# KiCad board arena_12-12_v8_ni.kicad_pcb (continued)
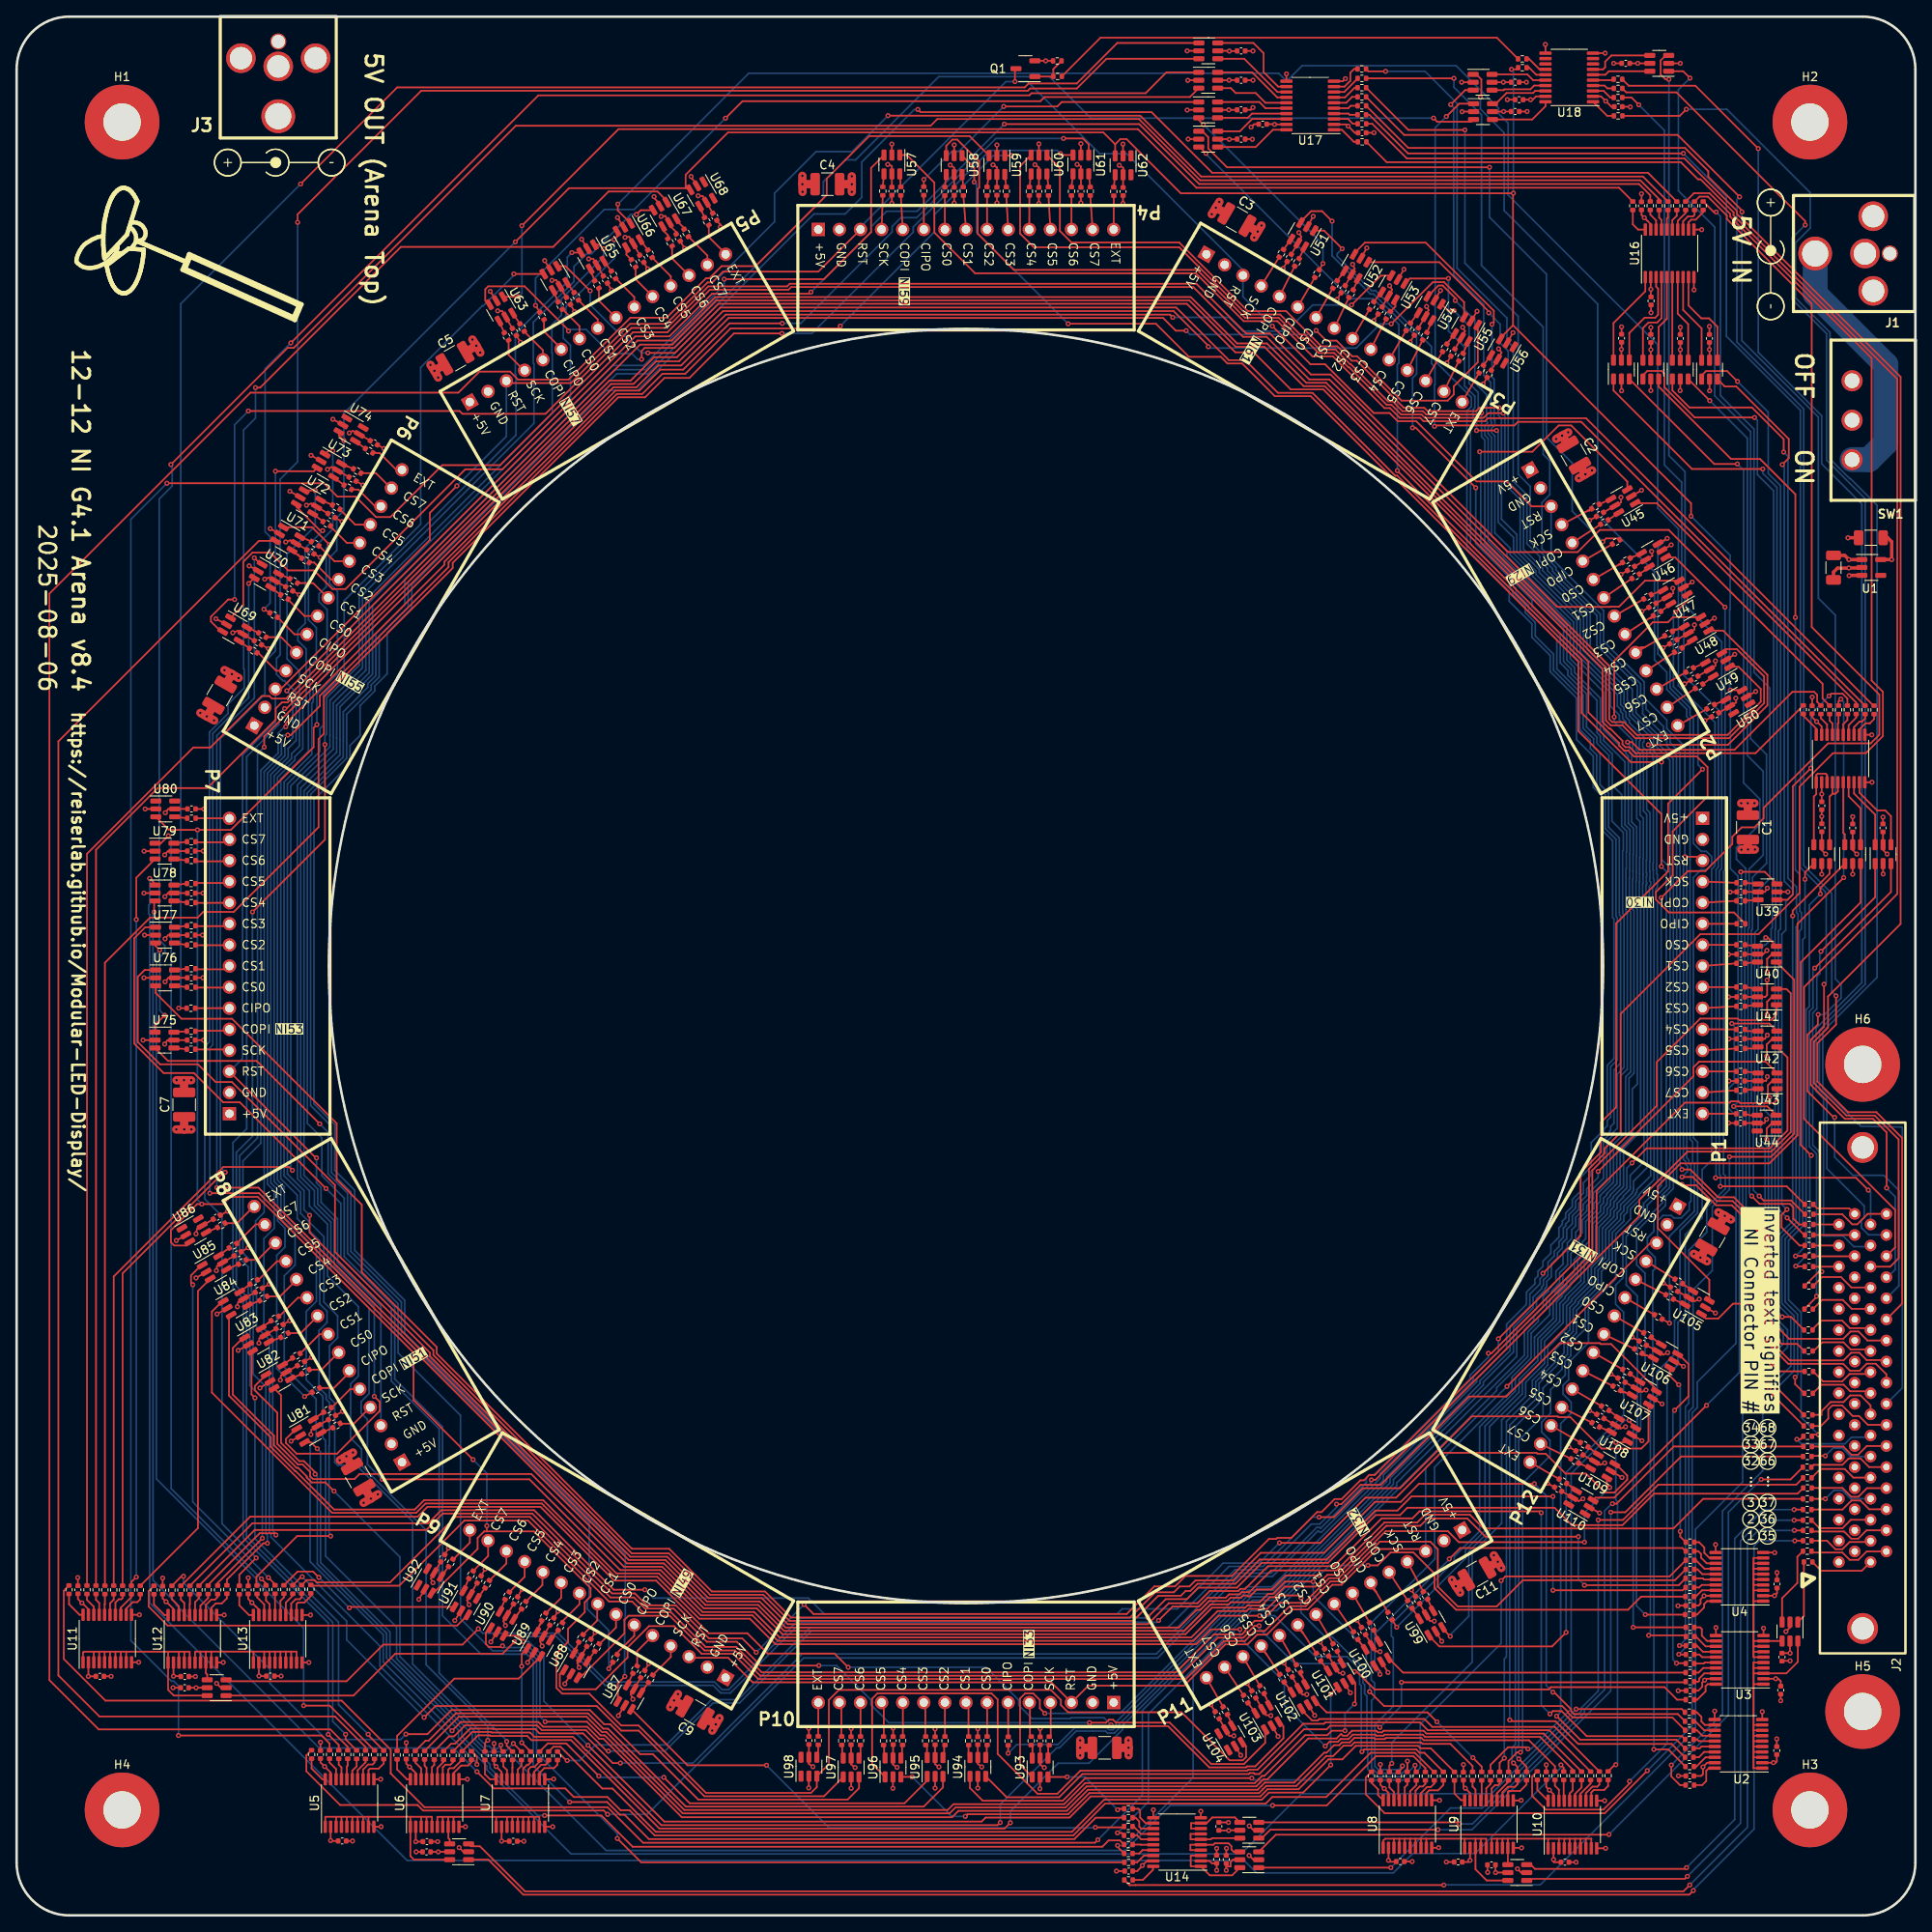
[diagram p0: board, top side]
## Routing (per net, layer and track width the routed paths; a pad name or vN(x,y) marks a point on that pad's centre or on a via; arc(x,y) is an arc through that point) (continued)
Net-(J2-Pin_49): length 9.8
  Top w0.2: J2.49 223.2,61.4 222,62.6 220.75,62.6 219.95,61.8 218.4,61.8 217.3,60.7 217.3,60.26 R15.1
Net-(J2-Pin_51): length 7.5
  Top w0.2: R16.1 217.29,63.89 219.96,63.89 220.75,63.1 222.97,63.1
Net-(J2-Pin_53): length 7.6
  Top w0.2: R17.1 217.49,64.29 219.79,64.29 220.68,65.18 222.98,65.18
Net-(J2-Pin_55): length 7.4
  Top w0.2: 216.35,67.95 217.4,69 219.93,69 220.79,68.14 223.01,68.14
Net-(J2-Pin_57): length 7.6
  Top w0.2: 216.22,70.57 217.25,71.6 219.8,71.6 220.7,70.7 222.99,70.7
Net-(J2-Pin_59): length 7.8
  Top w0.2: R20.1 217.37,74.1 219.86,74.1 220.94,73.03 J2.59
Net-(J2-Pin_61): length 7.8
  Top w0.2: 223.17,75.6 220.89,75.6 219.64,76.85 217.36,76.85 R21.1
Net-(J2-Pin_68): length 9.8
  Top w0.2: R22.1 219.79,84.41 221,83.2 221.6,83.2 222.86,84.46 J2.68
Net-(Q1-G): length 4.5
  Top w0.2: 124.81,221.39 124.81,222.28 R307.2 ; Q1.1 124.79,221.38
Net-(R163-Pad1): length 1.6
  Top w0.2: R163.1 U39.4
Net-(R164-Pad1): length 1.6
  Top w0.2: 208.1,122.15 U39.6
Net-(R166-Pad1): length 1.5
  Top w0.2: R166.1 U40.4
Net-(R167-Pad1): length 1.5
  Top w0.2: R167.1 U40.6
Net-(R168-Pad1): length 1.5
  Top w0.2: R168.1 U41.4
Net-(R169-Pad1): length 1.5
  Top w0.2: R169.1 U41.6
Net-(R170-Pad1): length 1.7
  Top w0.2: U42.4 208.29,106.46 R170.1
Net-(R171-Pad1): length 1.4
  Top w0.2: 209.46,104.37 R171.1
Net-(R172-Pad1): length 1.6
  Top w0.2: R172.1 U43.4
Net-(R173-Pad1): length 1.6
  Top w0.2: R173.1 U43.6
Net-(R174-Pad1): length 1.5
  Top w0.2: U44.4 208.73,96.33 R174.1
Net-(R175-Pad1): length 1.6
  Top w0.2: R175.1 191.95,170.53
Net-(R176-Pad1): length 1.6
  Top w0.2: R176.1 U45.6
Net-(R178-Pad1): length 1.9
  Top w0.2: 194.59,163.55 194.39,163.55 R178.1 194.59,163.55 ; 194.59,163.55 U46.4
Net-(R179-Pad1): length 2.3
  Top w0.2: 195.97,161.92 196.14,161.92 U46.6 195.97,161.92 ; 195.97,161.92 R179.1
Net-(R180-Pad1): length 1.5
  Top w0.2: 196.83,159.02 198.22,159.55
Net-(R181-Pad1): length 1.5
  Top w0.2: R181.1 U47.6
Net-(R182-Pad1): length 2.3
  Top w0.2: R182.1 199.57,154.82 199.92,154.82 ; 199.92,154.82 200.8,155.18 ; 199.92,154.82 199.33,154.58
Net-(R183-Pad1): length 2.4
  Top w0.2: 201.12,153.07 U48.6 201.27,153.07 201.12,153.07 ; 201.12,153.07 R183.1
Net-(R184-Pad1): length 1.6
  Top w0.2: R184.1 U49.4
Net-(R185-Pad1): length 1.6
  Top w0.2: R185.1 U49.6
Net-(R186-Pad1): length 1.9
  Top w0.2: 204.39,145.77 205.09,146.07 ; 205.09,146.07 U50.4 ; 205.09,146.07 205.48,146.07
Net-(R187-Pad1): length 1.5
  Top w0.2: 152.55,200.59 U51.4
Net-(R188-Pad1): length 1.6
  Top w0.2: R188.1 U51.6
Net-(R190-Pad1): length 2.2
  Top w0.2: R190.1 159.43,197.4 ; 159.43,197.4 U52.4 ; 159.43,197.4 159.88,197.85
Net-(R191-Pad1): length 1.4
  Top w0.2: 160.95,195.75 161.53,197.06
Net-(R192-Pad1): length 1.5
  Top w0.2: R192.1 U53.4
Net-(R193-Pad1): length 1.7
  Top w0.2: U53.6 165.99,193.7 R193.1
Net-(R194-Pad1): length 1.6
  Top w0.2: 167.8,191.7 U54.4
Net-(R195-Pad1): length 1.5
  Top w0.2: 169.82,190.63 U54.6
Net-(R196-Pad1): length 2
  Top w0.2: R196.1 172.45,189.51 ; 172.45,189.51 172.19,189.26 ; 172.45,189.51 U55.4
Net-(R197-Pad1): length 1.6
  Top w0.2: R197.1 U55.6
Net-(R198-Pad1): length 1.8
  Top w0.2: 176.81,186.91 176.59,186.68 ; 176.81,186.91 176.59,186.6 ; 176.81,186.91 U56.4
Net-(R199-Pad1): length 1.6
  Top w0.2: 104.28,208.11 U57.4
Net-(R200-Pad1): length 1.6
  Top w0.2: U57.6 R200.1
Net-(R202-Pad1): length 1.5
  Top w0.2: U58.4 R202.1
Net-(R203-Pad1): length 1.5
  Top w0.2: R203.1 U58.6
Net-(R204-Pad1): length 1.5
  Top w0.2: U59.4 R204.1
Net-(R205-Pad1): length 1.5
  Top w0.2: U59.6 R205.1
Net-(R206-Pad1): length 1.6
  Top w0.2: R206.1 U60.4
Net-(R207-Pad1): length 1.6
  Top w0.2: R207.1 U60.6
Net-(R208-Pad1): length 1.6
  Top w0.2: R208.1 U61.4
Net-(R209-Pad1): length 1.6
  Top w0.2: R209.1 U61.6
Net-(R210-Pad1): length 1.5
  Top w0.2: R210.1 U62.4
Net-(R211-Pad1): length 1.6
  Top w0.2: R211.1 58.07,191.95
Net-(R212-Pad1): length 1.6
  Top w0.2: U63.6 R212.1
Net-(R214-Pad1): length 1.4
  Top w0.2: 65.17,194.31 U64.4
Net-(R215-Pad1): length 1.5
  Top w0.2: 66.24,196.58 R215.1
Net-(R216-Pad1): length 1.5
  Top w0.2: 69.58,196.83 U65.4
Net-(R217-Pad1): length 1.5
  Top w0.2: 70.7,199.16 R217.1
Net-(R218-Pad1): length 1.7
  Top w0.2: R218.1 73.41,199.93 U66.4
Net-(R219-Pad1): length 1.6
  Top w0.2: U66.6 R219.1
Net-(R220-Pad1): length 1.3
  Top w0.2: 77.77,202.93 78.41,202.29 R220.1
Net-(R221-Pad1): length 1.3
  Top w0.2: 79.42,204.08 80.37,203.13
Net-(R222-Pad1): length 1.9
  Top w0.2: 82.53,205.09 82.22,205.39 ; 82.53,205.09 R222.1 ; 82.53,205.09 U68.4
Net-(R223-Pad1): length 1.6
  Top w0.2: U69.4 R223.1
Net-(R224-Pad1): length 1.6
  Top w0.2: R224.1 U69.6
Net-(R226-Pad1): length 1.5
  Top w0.2: 30.59,159.88 R226.1
Net-(R227-Pad1): length 1.4
  Top w0.2: 32.85,160.95 31.54,161.53
Net-(R228-Pad1): length 2.2
  Top w0.2: 33.84,163.79 R228.1 33.93,163.79 33.84,163.79 ; 33.84,163.79 33.16,164.34
Net-(R229-Pad1): length 1.5
  Top w0.2: U71.6 R229.1
Net-(R230-Pad1): length 1.6
  Top w0.2: R230.1 35.65,168.76
Net-(R231-Pad1): length 1.6
  Top w0.2: 38.04,169.8 U72.6
Net-(R232-Pad1): length 1.6
  Top w0.2: R232.1 U73.4
Net-(R233-Pad1): length 2
  Top w0.2: U73.6 39.82,174.47 ; 39.82,174.47 39.42,174.47 ; 39.82,174.47 R233.1
Net-(R234-Pad1): length 1.5
  Top w0.2: 42,176.59 40.79,177.48
Net-(R235-Pad1): length 1.6
  Top w0.2: U75.4 20.5,104.28
Net-(R236-Pad1): length 1.6
  Top w0.2: R236.1 U75.6
Net-(R238-Pad1): length 1.5
  Top w0.2: U76.4 R238.1
Net-(R239-Pad1): length 1.5
  Top w0.2: R239.1 U76.6
Net-(R240-Pad1): length 1.5
  Top w0.2: U77.4 R240.1
Net-(R241-Pad1): length 1.5
  Top w0.2: R241.1 U77.6
Net-(R242-Pad1): length 1.6
  Top w0.2: U78.4 R242.1
Net-(R243-Pad1): length 1.6
  Top w0.2: R243.1 U78.6
Net-(R244-Pad1): length 1.6
  Top w0.2: U79.4 R244.1
Net-(R245-Pad1): length 1.6
  Top w0.2: R245.1 U79.6
Net-(R246-Pad1): length 1.5
  Top w0.2: R246.1 U80.4
Net-(R247-Pad1): length 1.6
  Top w0.2: 36.65,58.07 R247.1
Net-(R248-Pad1): length 2
  Top w0.2: 36.67,60.38 U81.6 ; 36.67,60.38 R248.1 36.77,60.38 36.67,60.38
Net-(R250-Pad1): length 1.9
  Top w0.2: 34.01,65.05 34.21,65.05 R250.1 34.01,65.05 ; 34.01,65.05 U82.4
Net-(R251-Pad1): length 1.9
  Top w0.2: 32.91,66.89 U82.6 ; 32.91,66.89 R251.1 33,66.89 32.91,66.89
Net-(R252-Pad1): length 1.5
  Top w0.2: U83.4 R252.1
Net-(R253-Pad1): length 2
  Top w0.2: 30.31,71.35 30.4,71.35 R253.1 30.31,71.35 ; 30.31,71.35 U83.6
Net-(R254-Pad1): length 1.6
  Top w0.2: 27.8,73.42 29.27,74.02
Net-(R255-Pad1): length 1.6
  Top w0.2: 28.1,75.99 U84.6
Net-(R256-Pad1): length 1.6
  Top w0.2: U85.4 R256.1
Net-(R257-Pad1): length 1.6
  Top w0.2: U85.6 25.28,80.13 R257.1
Net-(R258-Pad1): length 1.5
  Top w0.2: 24.21,82.83 U86.4
Net-(R259-Pad1): length 2.2
  Top w0.2: U87.4 75.62,27.42 ; 75.62,27.42 R259.1 ; 75.62,27.42 75.17,26.96
Net-(R260-Pad1): length 1.6
  Top w0.2: R260.1 73.52,27.73
Net-(R262-Pad1): length 1.5
  Top w0.2: 68.72,30.59 69.62,31.81
Net-(R263-Pad1): length 1.9
  Top w0.2: 67.38,32.23 67.07,31.54 ; 67.38,32.23 67.07,31.92 ; 67.38,32.23 R263.1
Net-(R264-Pad1): length 2.2
  Top w0.2: 64.73,33.75 R264.1 ; 64.73,33.75 U89.4 ; 64.73,33.75 64.25,33.27
Net-(R265-Pad1): length 2.2
  Top w0.2: 62.97,34.95 R265.1 63.21,35.19 62.97,34.95 ; 62.97,34.95 62.61,34.1
Net-(R266-Pad1): length 2.3
  Top w0.2: U90.4 60.32,36.27 ; 60.32,36.27 59.84,35.79 ; 60.32,36.27 R266.1
Net-(R267-Pad1): length 1.6
  Top w0.2: 58.81,38.04 U90.6
Net-(R268-Pad1): length 1.6
  Top w0.2: 55.47,38.16 R268.1
Net-(R269-Pad1): length 1.6
  Top w0.2: R269.1 U91.6
Net-(R270-Pad1): length 2.1
  Top w0.2: 51.56,41.39 U92.4 ; 51.56,41.39 51.12,40.94 ; 51.56,41.39 52.01,42
Net-(R271-Pad1): length 1.4
  Top w0.2: 124.2,18.97 124.2,20.38
Net-(R272-Pad1): length 1.4
  Top w0.2: 122.3,20.36 122.3,18.97
Net-(R274-Pad1): length 1.3
  Top w0.2: 116.8,20.47 116.8,19.13
Net-(R275-Pad1): length 1.3
  Top w0.2: 114.6,20.49 114.6,19.19
Net-(R276-Pad1): length 1.3
  Top w0.2: 111.67,20.41 111.67,19.14
Net-(R277-Pad1): length 1.3
  Top w0.2: 109.6,20.37 109.6,19.03
Net-(R278-Pad1): length 1.4
  Top w0.2: 106.6,20.45 106.6,19.09
Net-(R279-Pad1): length 1.4
  Top w0.2: 104.44,20.44 104.44,19.07
Net-(R280-Pad1): length 1.4
  Top w0.2: 101.6,19.12 R280.1
Net-(R281-Pad1): length 1.4
  Top w0.2: 99.4,20.46 99.4,19.06
Net-(R282-Pad1): length 1.3
  Top w0.2: 96.5,19.2 96.5,20.53
Net-(R283-Pad1): length 1.6
  Top w0.2: R283.1 170.53,36.65
Net-(R284-Pad1): length 1.9
  Top w0.2: R284.1 168.22,36.66 ; 168.22,36.66 168,36.89 ; 168.22,36.66 U99.6
Net-(R286-Pad1): length 1.4
  Top w0.2: 163.43,34.29 U100.4
Net-(R287-Pad1): length 1.8
  Top w0.2: 161.69,32.93 U100.6 ; 161.69,32.93 R287.1 ; 161.69,32.93 161.47,33.15
Net-(R288-Pad1): length 2.4
  Top w0.2: U101.4 159.55,30.82 159.28,31.1 ; R288.1 159.28,31.1 ; 159.28,31.1 159.55,30.38
Net-(R289-Pad1): length 1.9
  Top w0.2: 157.25,30.31 157.91,29.43 ; 157.25,30.31 156.99,30.66 ; 157.25,30.31 156.99,30.57
Net-(R290-Pad1): length 2.3
  Top w0.2: 154.58,29.27 154.82,28.68 ; 154.82,28.68 155.18,27.8 ; 154.82,28.68 154.58,28.92 R290.1
Net-(R291-Pad1): length 1.9
  Top w0.2: R291.1 152.83,27.8 ; 152.83,27.8 152.6,28.03 ; 152.83,27.8 U102.6
Net-(R292-Pad1): length 2
  Top w0.2: 150.35,26.36 150.19,26.52 R292.1 150.35,26.36 ; 150.35,26.36 U103.4
Net-(R293-Pad1): length 1.9
  Top w0.2: R293.1 148.47,25.28 ; 148.47,25.28 U103.6 ; 148.47,25.28 148.23,25.52
Net-(R294-Pad1): length 1.4
  Top w0.2: 145.8,24.14 U104.4
Net-(R295-Pad1): length 2
  Top w0.2: 200.88,75.84 200.79,75.84 R295.1 200.88,75.84 ; 200.88,75.84 U105.4
Net-(R296-Pad1): length 1.6
  Top w0.2: R296.1 200.87,73.52
Net-(R298-Pad1): length 1.9
  Top w0.2: 196.79,69.62 197.1,69.39 ; 197.1,69.39 197.02,69.39 R298.1 ; 197.1,69.39 U106.4
Net-(R299-Pad1): length 2.2
  Top w0.2: 196.23,67.44 R299.1 195.93,67.44 196.23,67.44 ; 196.23,67.44 197.06,67.07
Net-(R300-Pad1): length 1.5
  Top w0.2: R300.1 U107.4
Net-(R301-Pad1): length 2.2
  Top w0.2: 193.65,62.97 193.33,62.97 R301.1 193.65,62.97 ; 193.65,62.97 194.5,62.61
Net-(R302-Pad1): length 1.6
  Top w0.2: R302.1 U108.4
Net-(R303-Pad1): length 2
  Top w0.2: 191.28,58.5 191.7,58.5 ; 191.28,58.5 U108.6 ; 191.28,58.5 190.56,58.81
Net-(R304-Pad1): length 2
  Top w0.2: 189.49,56.17 U109.4 ; 189.49,56.17 R304.1 189.4,56.17 189.49,56.17
Net-(R305-Pad1): length 2
  Top w0.2: 188.41,54.29 U109.6 ; 188.41,54.29 188.2,54.29 R305.1 188.41,54.29
Net-(R306-Pad1): length 2.3
  Top w0.2: 187.21,51.56 187.37,51.56 U110.4 187.21,51.56 ; 187.21,51.56 186.6,52.01
Net-(U2-A1): length 33.4
  Top w0.2: 209.1,29.77 209.12,29.79 U3.4 ; 209.1,29.77 209.1,30.44 209.11,30.44 U3.5 ; 209.1,29.77 209.1,29.15 ; 209.09,19 209.12,19.03 U2.3 ; 209.09,19 209.1,19 ; 209.09,19 209.11,19.02 ; 209.09,22.27 209.1,22.28 U2.8 ; 209.1,17.73 209.09,17.74 209.1,27.82 ; 209.1,17.73 209.1,17.73 ; 209.1,17.73 U2.1 ; 209.1,27.82 209.12,27.84 U3.1 ; 209.1,27.82 209.1,29.15 ; 209.09,20.32 209.1,20.33 U2.5 ; U2.6 209.1,20.98 209.09,20.97 ; U19.6 214.45,30.53 213.06,29.14 U3.3 209.11,29.14 209.1,29.15 ; U2.9 209.1,22.93 ; U2.4 209.11,19.68 ; U2.7 209.11,21.63
Net-(U2-B1): length 4
  Top w0.2: R29.2 202.94,15.69 203.42,16.18 203.42,17.41 203.74,17.73 U2.20
Net-(U2-B2): length 3
  Top w0.2: R30.2 202.23,17.92 203.34,19.03 U2.18
Net-(U2-B3): length 2.8
  Top w0.2: R31.2 202.54,19.04 203.18,19.68 U2.17
Net-(U2-B4): length 2.6
  Top w0.2: R32.2 202.63,20.11 202.85,20.33 U2.16
Net-(U2-B5): length 2.6
  Top w0.2: U2.15 202.53,20.98 202.32,21.19 R33.2
Net-(U2-B6): length 2.8
  Top w0.2: U2.14 202.95,21.63 202.3,22.29 R34.2
Net-(U2-B7): length 3
  Top w0.2: U2.13 203.18,22.28 202.09,23.37 R35.2
Net-(U2-B8): length 3.5
  Top w0.2: R36.2 202.27,24.46 202.84,23.9 202.84,23.35 203.25,22.93 U2.12
Net-(U3-A5): length 28.6
  Top w0.2: 210.28,37.84 209.1,37.84 209.09,37.85 ; U3.7 209.14,31.74 209.13,31.73 209.09,31.73 ; U3.6 209.09,31.09 209.09,31.73 ; 209.09,41.75 209.09,42.37 209.11,42.39 ; 209.09,41.75 209.1,41.74 U4.7 ; 209.09,41.75 209.09,41.07 ; U4.4 209.1,39.79 209.09,39.8 ; 209.11,42.39 U4.8 ; 209.11,42.39 209.11,43.02 209.12,43.04 U4.9 ; U3.8 209.14,32.39 209.12,32.37 209.09,32.37 ; 209.09,37.85 209.09,39.17 ; 209.09,37.85 209.09,33.01 ; 209.09,31.73 209.09,32.37 ; 209.09,39.17 209.09,39.8 ; 209.09,39.17 209.12,39.14 U4.3 ; 209.09,39.8 209.09,40.5 ; 212.55,33.04 U3.9 209.12,33.04 209.09,33.01 ; 209.09,40.5 209.09,41.07 ; 209.09,40.5 209.15,40.44 U4.5 ; 209.09,41.07 209.11,41.09 U4.6 ; 209.09,32.37 209.09,33.01
Net-(U3-B1): length 3.8
  Top w0.2: U3.20 203.58,27.84 203.34,27.6 203.34,26.97 202.34,25.97 201.98,25.97
Net-(U3-B2): length 3.2
  Top w0.2: R38.2 202.46,28.14 202.56,28.25 202.56,28.51 203.2,29.14 U3.18
Net-(U3-B3): length 2.9
  Top w0.2: U3.17 203.06,29.79 202.5,29.23 R39.2
Net-(U3-B4): length 2.7
  Top w0.2: 201.98,30.32 203.12,30.32 203.24,30.44 U3.16
Net-(U3-B5): length 2.7
  Top w0.2: U3.15 202.92,31.09 202.6,31.41 R41.2
Net-(U3-B6): length 2.9
  Top w0.2: U3.14 203.02,31.74 202.28,32.48 R42.2
Net-(U3-B7): length 2.9
  Top w0.2: U3.13 203.35,32.39 202.17,33.57
Net-(U3-B8): length 3.8
  Top w0.2: 201.98,34.68 202.68,34.68 202.89,34.47 202.89,33.67 203.52,33.04 U3.12
Net-(U4-B1): length 3.6
  Top w0.2: 204.55,37.84 203.53,37.84 203.17,37.47 203.17,37.07 202.31,36.21 R45.2
Net-(U4-B2): length 2.9
  Top w0.2: U4.18 202.9,39.14 202.15,38.38 R46.2
Net-(U4-B3): length 2.7
  Top w0.2: R47.2 202.57,39.48 202.88,39.79 U4.17
Net-(U4-B4): length 2.7
  Top w0.2: R48.2 203,40.58 203.15,40.44 U4.16
Net-(U4-B5): length 2.8
  Top w0.2: U4.15 202.95,41.09 202.38,41.66 201.98,41.66
Net-(U4-B6): length 3
  Top w0.2: U4.14 203.2,41.74 202.18,42.76 R50.2
Net-(U4-B7): length 3.4
  Top w0.2: U4.13 203.48,42.39 202.79,43.07 202.79,43.52 202.46,43.85 201.98,43.85
Net-(U4-B8): length 3.7
  Top w0.2: U4.12 203.8,43.04 203.19,43.65 203.19,44.3 202.56,44.93 201.98,44.93
Net-(U5-A1): length 35.7
  Top w0.2: U5.8 41.71,11.87 ; 41.71,11.87 42.37,11.87 ; 41.71,11.87 41.07,11.87 ; U5.1 37.16,11.87 38.49,11.87 ; U5.7 41.06,11.86 41.07,11.87 ; 48.71,11.87 49.36,11.87 ; 48.71,11.87 48.7,11.87 U6.3 ; 48.71,11.87 47.42,11.87 ; 49.36,11.87 49.99,11.87 50,11.86 U6.5 ; 49.36,11.87 49.36,11.87 U6.4 ; 39.1,11.87 39.77,11.87 ; 39.1,11.87 38.49,11.87 ; 39.1,11.87 39.11,11.86 U5.4 ; 39.77,11.87 40.44,11.87 ; 39.77,11.87 39.76,11.86 U5.5 ; 42.37,11.87 42.36,11.86 U5.9 ; 42.37,11.87 47.42,11.87 ; 40.44,11.87 41.07,11.87 ; 40.44,11.87 40.41,11.84 U5.6 ; U5.3 38.46,11.84 38.49,11.87 ; 52.14,6.71 47.84,6.71 47.41,7.15 U6.1 47.41,11.86 47.42,11.87
Net-(U5-B1): length 3.4
  Top w0.2: R53.2 35.51,17.69 36.81,16.4 U5.20
Net-(U5-B2): length 2.8
  Top w0.2: R54.2 37.68,18.4 38.46,17.62 U5.18
Net-(U5-B3): length 2.6
  Top w0.2: R55.2 38.78,18.15 39.11,17.82 U5.17
Net-(U5-B4): length 2.5
  Top w0.2: U5.16 39.76,17.95 39.86,18.05 R56.2
Net-(U5-B5): length 2.7
  Top w0.2: R57.2 40.94,17.95 40.41,17.42 U5.15
Net-(U5-B6): length 2.8
  Top w0.2: R58.2 42.01,18.42 41.06,17.47 U5.14
Net-(U5-B7): length 3.3
  Top w0.2: R59.2 43.09,18.4 42.86,18.17 42.33,18.17 41.71,17.55 U5.13
Net-(U5-B8): length 3.8
  Top w0.2: R60.2 44.2,18.29 43.58,17.67 42.53,17.67 42.36,17.5 U5.12
Net-(U6-A5): length 28.7
  Top w0.2: 61.64,11.86 62.28,11.86 ; 61.64,11.86 61.64,11.86 61.64,10.67 ; 61.64,11.86 61.05,11.86 ; 62.28,11.86 62.28,11.86 U7.8 ; 62.28,11.86 62.94,11.86 ; U6.6 50.66,11.86 50.65,11.86 51.3,11.86 ; U6.8 51.95,11.83 51.92,11.86 ; 59.04,11.86 59.03,11.86 U7.3 ; 59.04,11.86 59.66,11.86 ; 59.04,11.86 57.78,11.86 ; U7.1 57.73,11.81 57.78,11.86 ; 62.94,11.84 U7.9 ; U7.6 60.98,11.8 61.05,11.86 ; 61.05,11.86 60.31,11.86 ; 51.3,11.86 51.92,11.86 ; 51.3,11.86 51.31,11.86 U6.7 ; 52.63,11.86 57.78,11.86 ; 52.63,11.86 52.61,11.84 U6.9 ; 52.63,11.86 51.92,11.86 ; 51.98,10.65 51.98,9.31 52.14,9.16 52.14,8.61 ; 59.66,11.86 60.31,11.86 ; 59.66,11.86 59.69,11.84 U7.4 ; 60.31,11.86 60.33,11.84 U7.5
Net-(U6-B1): length 3.3
  Top w0.2: U6.20 46.98,16.4 45.81,17.57 R61.2
Net-(U6-B2): length 2.7
  Top w0.2: R62.2 48,18.41 48.7,17.7 U6.18
Net-(U6-B3): length 2.5
  Top w0.2: U6.17 49.36,17.78 49.12,18.01 R63.2
Net-(U6-B4): length 2.5
  Top w0.2: U6.16 50,17.84 50.28,18.12 R64.2
Net-(U6-B5): length 2.7
  Top w0.2: U6.15 50.66,17.74 51.41,18.5 R65.2
Net-(U6-B6): length 3.2
  Top w0.2: U6.14 51.31,17.82 51.63,18.15 52.23,18.15 52.54,18.45 R66.2
Net-(U6-B7): length 3.3
  Top w0.2: R67.2 52.62,17.72 52.14,17.72 51.95,17.54 U6.13
Net-(U6-B8): length 3.7
  Top w0.2: U6.12 52.61,17.13 53.52,18.05 54.36,18.05 54.75,18.44 R68.2
Net-(U7-B1): length 3.3
  Top w0.2: R69.2 56.39,17 56.98,16.4 U7.20
Net-(U7-B2): length 2.5
  Top w0.2: R70.2 58.59,17.94 59.03,17.5 U7.18
Net-(U7-B3): length 2.3
  Top w0.2: U7.17 59.69,17.77 59.7,17.79 R71.2
Net-(U7-B4): length 2.5
  Top w0.2: R72.2 60.78,18.02 60.33,17.57 U7.16
Net-(U7-B5): length 2.8
  Top w0.2: U7.15 60.98,17.65 61.43,18.1 61.56,18.1 61.88,18.42 R73.2
Net-(U7-B6): length 3.1
  Top w0.2: R74.2 62.97,18.5 62.33,17.87 61.91,17.87 61.64,17.6 61.64,16.4
Net-(U7-B7): length 3.3
  Top w0.2: R75.2 64.05,18.51 63.67,18.14 63.17,18.14 62.28,17.25 U7.13
Net-(U7-B8): length 3.9
  Top w0.2: R76.2 65.12,18.16 64.7,17.74 63.54,17.74 62.94,17.13 U7.12
Net-(U8-A1): length 32.5
  Top w0.2: 176.28,9.23 176.94,9.23 U9.5 ; 176.28,9.23 175.63,9.23 ; 176.28,9.23 U9.4 ; U8.9 169.72,9.22 169.71,9.23 ; 165.84,9.23 164.76,9.23 164.52,8.99 U8.1 ; 165.84,9.23 165.82,9.22 U8.3 ; 165.84,9.23 166.46,9.23 ; U8.8 169.07,9.22 169.06,9.23 ; 167.81,9.23 168.41,9.23 ; 167.81,9.23 167.13,9.23 ; 167.81,9.23 167.77,9.19 U8.6 ; 168.41,9.23 168.42,9.22 U8.7 ; 168.41,9.23 169.06,9.23 ; 169.06,9.23 169.71,9.23 ; 169.71,9.23 174.34,9.23 ; U8.4 166.47,9.22 166.46,9.23 ; 175.63,9.23 174.34,9.23 ; 175.63,9.23 U9.3 175.63,5.56 176.99,4.21 U21.6 ; 167.13,9.23 166.46,9.23 ; 167.13,9.23 167.12,9.22 U8.5 ; 174.34,8.12 174.34,9.23
Net-(U8-B1): length 3
  Top w0.2: U8.20 163.91,14.48 163.91,15.18 163.12,15.98 R77.2
Net-(U8-B2): length 2.6
  Top w0.2: U8.18 165.82,14.87 165.28,15.42 R78.2
Net-(U8-B3): length 2.4
  Top w0.2: U8.17 166.34,13.99 R79.2
Net-(U8-B4): length 2.5
  Top w0.2: R80.2 167.43,15.72 167.12,15.42 U8.16
Net-(U8-B5): length 2.7
  Top w0.2: R81.2 168.51,15.69 167.77,14.94 U8.15
Net-(U8-B6): length 3.1
  Top w0.2: U8.14 168.42,15.02 168.91,15.52 169.3,15.52 169.6,15.83 R82.2
Net-(U8-B7): length 3.3
  Top w0.2: R83.2 170.68,15.87 170.26,15.46 169.81,15.46 169.07,14.72 U8.13
Net-(U8-B8): length 3.9
  Top w0.2: U8.12 169.72,14.72 170.06,15.06 171.13,15.06 171.78,15.7 R84.2
Net-(U9-B1): length 3.1
  Top w0.2: R85.2 173.1,14.66 173.88,13.88 174.3,13.88
Net-(U9-B2): length 2.6
  Top w0.2: R86.2 175.28,15.5 175.63,15.16 U9.18
Net-(U9-B3): length 2.3
  Top w0.2: R87.2 176.38,13.94
Net-(U9-B4): length 2.6
  Top w0.2: U9.16 176.94,15.31 177.46,15.83 R88.2
Net-(U9-B5): length 3
  Top w0.2: U9.15 177.59,15.28 177.99,15.68 178.36,15.68 178.54,15.87 R89.2
Net-(U9-B6): length 2.8
  Top w0.2: 178.24,13.84 178.24,14.72 179.62,16.1
Net-(U9-B7): length 3.7
  Top w0.2: U9.13 178.88,14.81 179.56,15.48 180.38,15.48 180.69,15.78 R91.2
Net-(U9-B8): length 4.2
  Top w0.2: R92.2 181.78,15.75 181.01,14.98 179.63,14.98 179.53,14.88 U9.12
Net-(U10-A1): length 27.7
  Top w0.2: U10.8 188.93,9.23 188.94,9.23 ; 188.94,9.23 188.31,9.23 ; 188.94,9.23 189.59,9.23 189.58,9.23 U10.9 ; 188.31,9.23 188.28,9.2 U10.7 ; 188.31,9.23 187.63,9.23 ; 186.36,9.23 186.96,9.23 ; 186.36,9.23 186.33,9.2 U10.4 ; 186.36,9.23 185.69,9.23 ; 186.96,9.23 187.63,9.23 ; 186.96,9.23 186.98,9.21 U10.5 ; U10.1 184.38,9.23 184.38,9.23 ; 178.24,9.23 178.91,9.23 ; 178.24,9.23 177.59,9.23 U9.6 ; 178.24,9.23 178.24,8.12 ; 178.91,9.23 178.88,9.21 U9.8 ; 178.91,9.23 179.53,9.23 ; 187.63,9.23 187.63,9.23 U10.6 ; 179.53,9.23 184.38,9.23 ; 179.53,9.23 U9.9 U21.4 ; 184.38,9.23 185.69,9.23 ; 185.69,9.23 185.68,9.23 U10.3
Net-(U10-B1): length 3
  Top w0.2: U10.20 183.09,15.1 R93.2
Net-(U10-B2): length 2.7
  Top w0.2: R94.2 185.21,15.61 185.68,15.14 U10.18
Net-(U10-B3): length 2.4
  Top w0.2: R95.2 186.25,13.88
Net-(U10-B4): length 2.6
  Top w0.2: R96.2 187.34,15.05 186.98,14.68 U10.16
Net-(U10-B5): length 2.8
  Top w0.2: U10.15 187.63,14.63 188.41,15.42 R97.2
Net-(U10-B6): length 3
  Top w0.2: R98.2 189.5,15.87 188.28,14.65 U10.14
Net-(U10-B7): length 3.5
  Top w0.2: U10.13 188.93,14.72 189.71,15.5 190.31,15.5 190.56,15.75 R99.2
Net-(U10-B8): length 4.1
  Top w0.2: U10.12 189.58,14.8 189.88,15.1 191.13,15.1 191.6,15.58 R100.2
Net-(U11-A1): length 36.6
  Top w0.2: 18.26,31.75 19.54,31.75 ; 18.26,31.75 13.2,31.75 ; 18.26,31.75 18.23,31.73 U12.1 18.23,27.16 18.93,26.46 U22.6 ; 19.54,31.75 20.19,31.75 ; 19.54,31.75 19.53,31.75 U12.3 ; 11.23,31.75 11.87,31.75 ; 11.23,31.75 11.25,31.74 U11.6 ; 11.23,31.75 10.6,31.75 ; 11.87,31.75 12.56,31.75 ; 11.87,31.75 11.89,31.73 U11.7 ; 9.29,31.75 9.3,31.75 U11.3 ; 9.29,31.75 9.93,31.75 ; 9.29,31.75 8.09,31.75 8,31.66 U11.1 ; 13.2,31.75 13.19,31.75 U11.9 ; 13.2,31.75 12.56,31.75 ; U11.5 10.59,31.75 10.6,31.75 ; 20.19,31.75 20.19,31.75 U12.4 ; 20.19,31.75 20.82,31.75 20.83,31.74 U12.5 ; U11.8 12.55,31.74 12.56,31.75 ; 9.93,31.75 10.6,31.75 ; 9.93,31.75 9.94,31.74 9.94,30.47
Net-(U11-B1): length 3.4
  Top w0.2: 7.99,36.19 7.58,36.19 6.31,37.46 R101.2
Net-(U11-B2): length 2.8
  Top w0.2: R102.2 8.47,37.98 9.3,37.16 U11.18
Net-(U11-B3): length 2.7
  Top w0.2: R103.2 9.56,37.99 9.94,37.61 9.94,36.19
Net-(U11-B4): length 2.5
  Top w0.2: R104.2 10.63,37.49 10.59,37.45 U11.16
Net-(U11-B5): length 2.7
  Top w0.2: R105.2 11.69,38.02 11.25,37.58 U11.15
Net-(U11-B6): length 3
  Top w0.2: R106.2 12.76,38.22 12.61,38.07 12.3,38.07 11.89,37.66 U11.14
Net-(U11-B7): length 3
  Top w0.2: U11.13 12.55,37.05 13.82,38.33 R107.2
Net-(U11-B8): length 3.5
  Top w0.2: U11.12 13.19,36.93 13.98,37.72 14.53,37.72 14.89,38.07 R108.2
Net-(U12-A5): length 30.3
  Top w0.2: 30.43,31.76 31.09,31.76 ; 30.43,31.76 29.83,31.76 ; 30.43,31.76 30.46,31.73 U13.4 ; 31.09,31.76 31.11,31.74 U13.5 ; 31.09,31.76 31.74,31.76 ; U13.9 33.71,31.76 33.05,31.76 ; U12.9 23.44,31.73 23.4,31.76 ; 22.16,31.76 22.83,31.76 ; 22.16,31.76 21.49,31.76 21.48,31.75 U12.6 ; 22.16,31.76 22.14,31.74 22.14,30.44 ; 22.83,31.76 23.4,31.76 ; 22.83,31.76 22.78,31.72 U12.8 22.78,29.17 22.94,29 U22.4 ; 32.41,31.76 33.05,31.76 ; 32.41,31.76 U13.7 ; 32.41,31.76 31.74,31.76 ; 33.05,31.76 33.06,31.75 U13.8 ; 23.4,31.76 28.51,31.76 ; 28.51,31.76 29.83,31.76 ; 28.51,31.76 U13.1 ; 29.83,31.76 29.81,31.74 U13.3 ; 31.74,31.76 31.76,31.74 U13.6
Net-(U12-B1): length 3.5
  Top w0.2: U12.20 17.8,36.17 16.53,37.43 R109.2
Net-(U12-B2): length 2.8
  Top w0.2: R110.2 18.69,38.06 19.53,37.22 U12.18
Net-(U12-B3): length 2.7
  Top w0.2: R111.2 19.78,38.03 20.19,37.62 U12.17
Net-(U12-B4): length 2.5
  Top w0.2: R112.2 20.86,37.5 20.83,37.47 U12.16
Net-(U12-B5): length 2.7
  Top w0.2: R113.2 21.95,38.19 21.48,37.72 U12.15
Net-(U12-B6): length 2.9
  Top w0.2: R114.2 23.06,38.21 22.14,37.29 22.14,36.17
Net-(U12-B7): length 3.4
  Top w0.2: U12.13 22.78,37.37 23.43,38.02 23.89,38.02 24.2,38.34 R115.2
Net-(U12-B8): length 3.8
  Top w0.2: R116.2 25.31,38.17 24.71,37.57 23.98,37.57 23.44,37.02 U12.12
Net-(U13-B1): length 3.5
  Top w0.2: U13.20 27.97,36.17 26.81,37.33 R117.2
Net-(U13-B2): length 2.9
  Top w0.2: U13.18 29.81,37.44 28.94,38.31 R118.2
Net-(U13-B3): length 2.7
  Top w0.2: 30.03,38.71 30.03,37.9 30.46,37.47 U13.17
Net-(U13-B4): length 2.6
  Top w0.2: U13.16 R120.2
Net-(U13-B5): length 2.7
  Top w0.2: R121.2 32.18,38.29 31.76,37.87 U13.15
Net-(U13-B6): length 2.9
  Top w0.2: R122.2 33.25,38.51 32.41,37.67 U13.14
Net-(U13-B7): length 3.4
  Top w0.2: R123.2 34.32,38.3 34.08,38.07 33.58,38.07 33.06,37.54 U13.13
Net-(U13-B8): length 3.7
  Top w0.2: U13.12 33.71,37.49 33.89,37.67 34.64,37.67 35.42,38.45 35.42,38.77
Net-(U14-A1): length 9.2
  Top w0.2: U14.3 141.41,7.21 141.35,7.16 141.35,5.96 141.41,5.91 U14.1 143.65,4.83 146.34,4.83 147.26,5.75
Net-(U14-A3): length 8.6
  Top w0.2: 147.26,7.65 146.54,7.65 146.25,7.94 146.25,8.32 145.9,8.68 144.25,8.68 144.08,8.5 141.31,8.5 141.31,7.86 U14.4
Net-(U14-A5): length 7.9
  Top w0.2: U24.6 143.92,9.3 143.78,9.16 U14.6 141.34,9.16 141.34,9.81 142.57,9.81
Net-(U14-A7): length 8.2
  Top w0.2: U14.8 141.41,10.46 141.41,11.09 141.43,11.11 U14.9 143.26,11.11 143.96,11.8 146.68,11.8 U24.4
Net-(U14-B1): length 3.3
  Top w0.2: 136.81,5.87 136.81,5.49 135.59,4.27 R125.2
Net-(U14-B2): length 2.8
  Top w0.2: R126.2 134.91,6.39 135.73,7.21 U14.18
Net-(U14-B3): length 2.7
  Top w0.2: U14.17 135.56,7.86 135.16,7.46 R127.2
Net-(U14-B4): length 2.5
  Top w0.2: R128.2 135.34,8.53 135.37,8.5 136.85,8.5
Net-(U14-B5): length 2.7
  Top w0.2: R129.2 134.92,9.62 135.39,9.16 U14.15
Net-(U14-B6): length 2.8
  Top w0.2: 136.85,9.81 135.37,9.81 134.47,10.71
Net-(U14-B7): length 3.4
  Top w0.2: U14.13 135.39,10.46 135.16,10.69 135.16,11.31 134.71,11.77 R131.2
Net-(U14-B8): length 3.7
  Top w0.2: R132.2 135.06,12.84 135.26,12.64 135.26,11.78 135.93,11.11 U14.12
Net-(U15-A1): length 10.8
  Top w0.2: U15.3 217.96,137.29 217.8,137.46 216.83,137.46 216.67,137.29 U15.1 216.67,134.99 216.38,134.7 U25.6
